# Altium PCB PCB1.pcbdoc
Units mil, origin at the board's own origin, x right, y up, seen from the top; angles counter-clockwise.
Board outline 3150.38 x 1181.94 mil, 2 copper layers (Top Layer, Bottom Layer); 25 components, 21 nets, 100 pads, 43 vias.
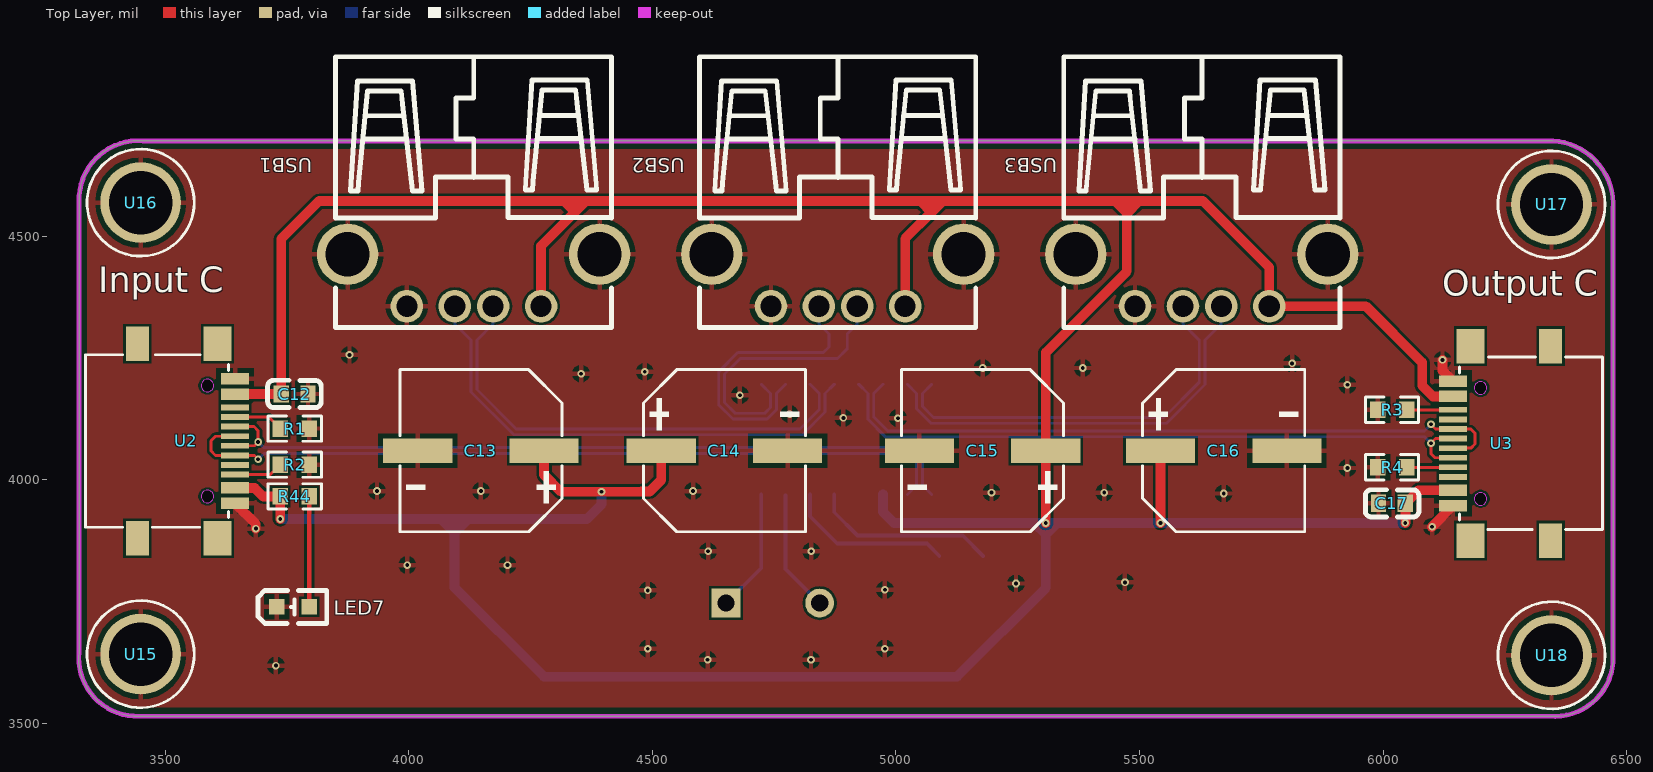
[diagram p0: Top Layer view]
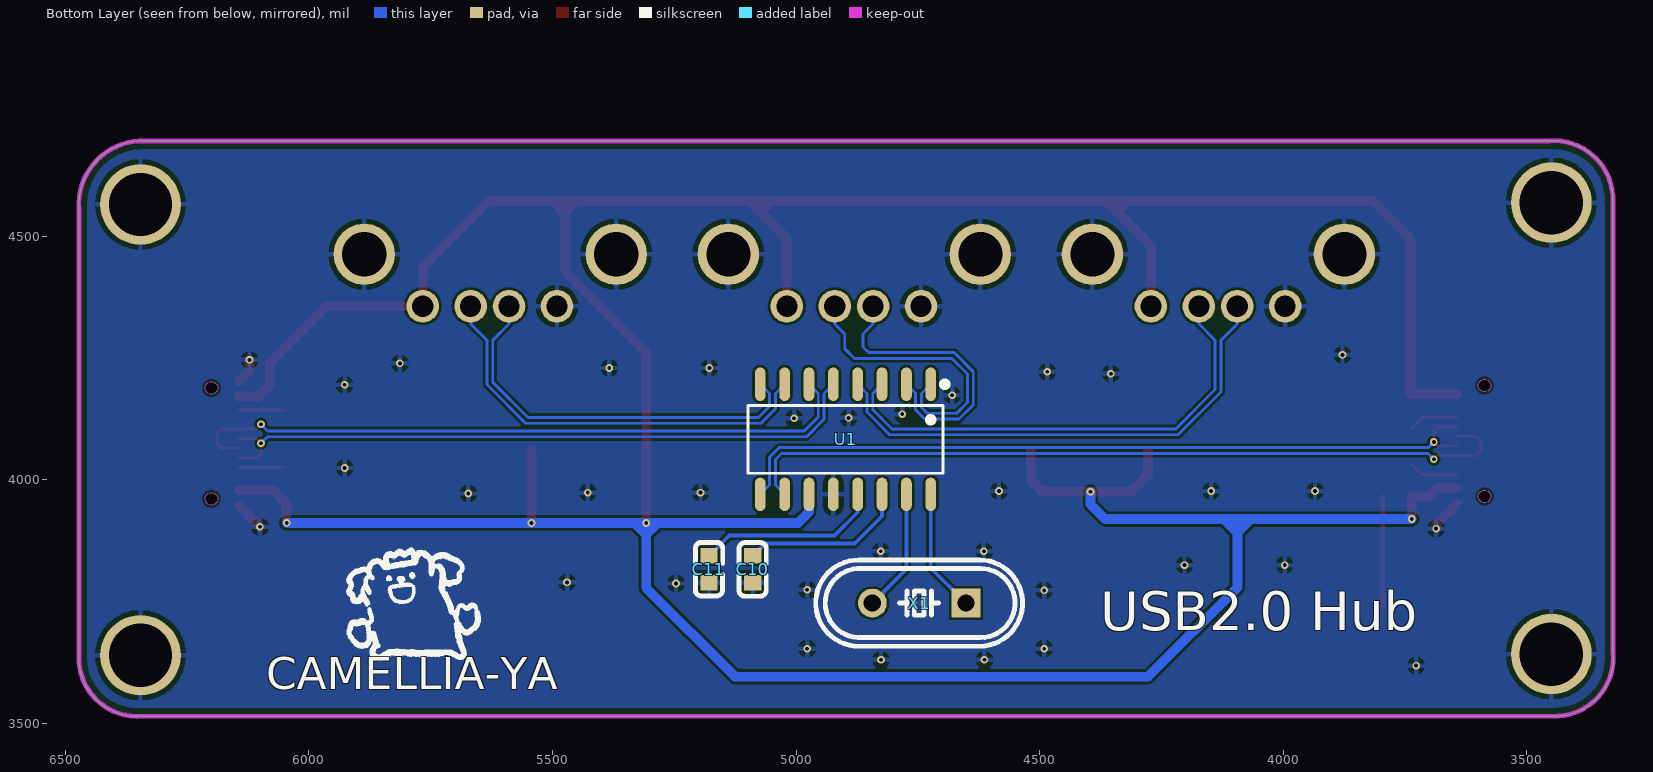
[diagram p1: Bottom Layer view, seen from below]
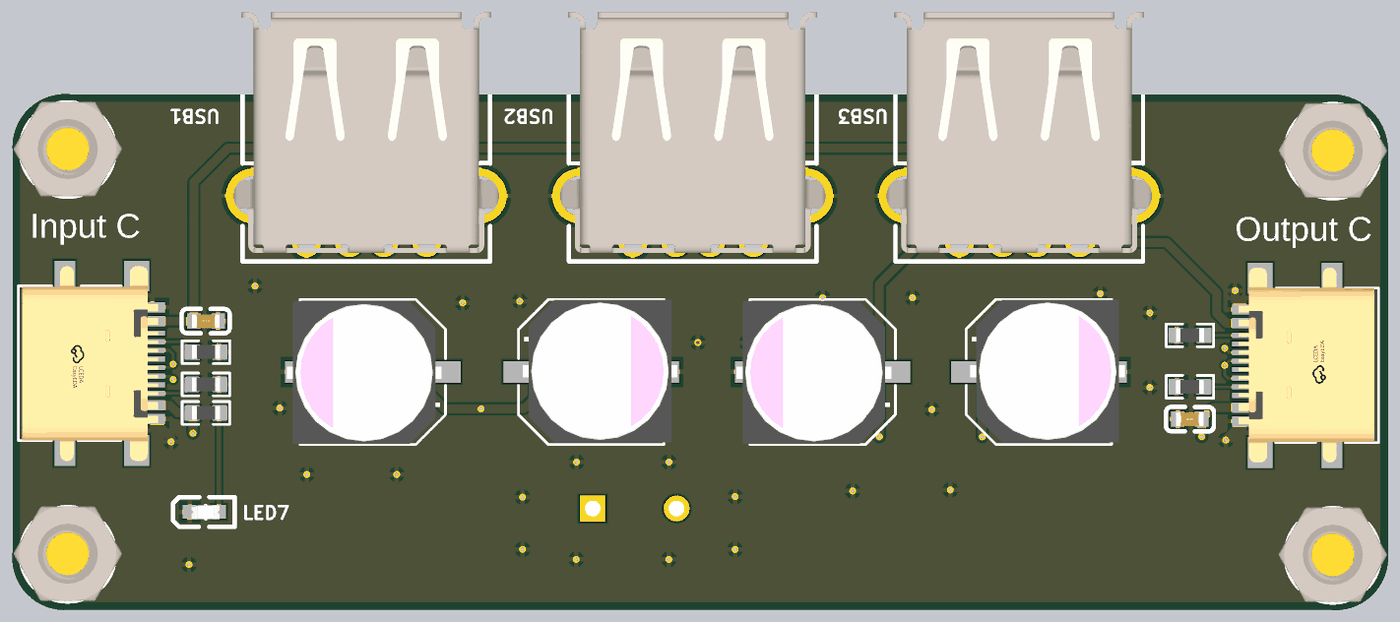
[diagram p2: 3D render of the assembled board from above, using the file's embedded part models]
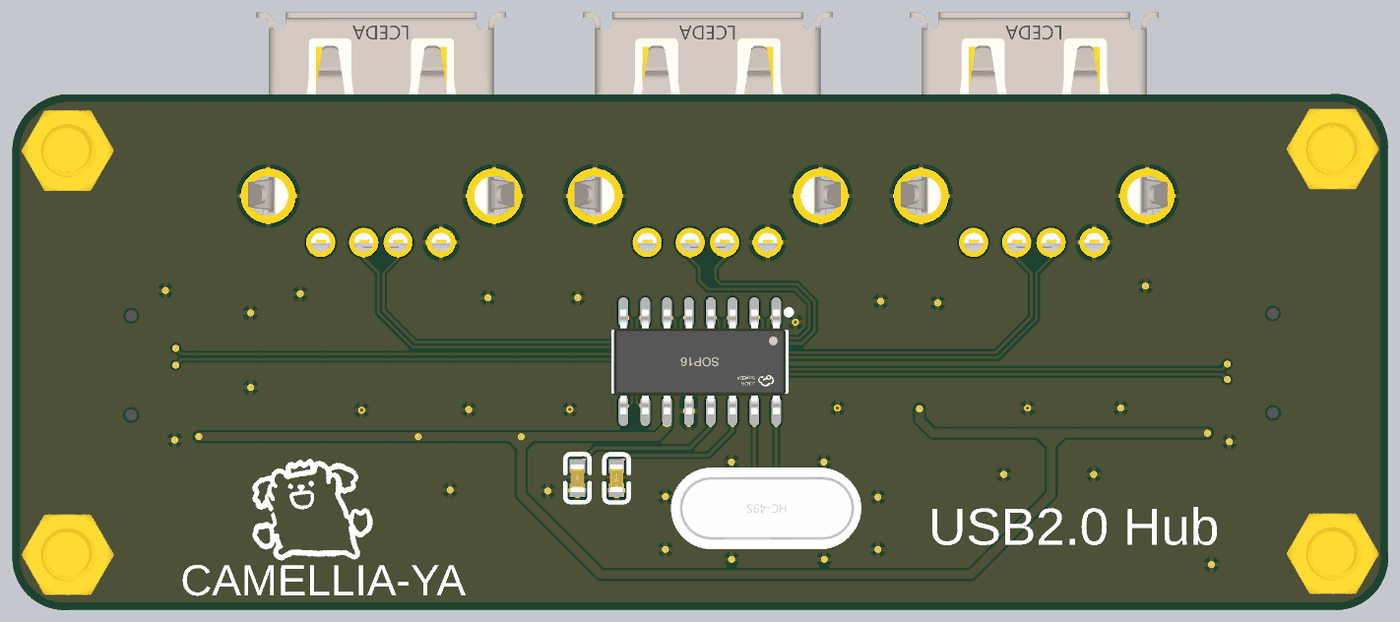
[diagram p3: 3D render of the assembled board from below, using the file's embedded part models]

## Layer stack, top to bottom
Top Solder Mask Layer: solder mask 0.4, Solder Resist, Dk 3.5
Top Layer: signal copper 1.4
Dielectric1: dielectric 12.6, FR-4, Dk 4.8
Bottom Layer: signal copper 1.4
Bottom Solder Mask Layer: solder mask 0.4, Solder Resist, Dk 3.5

## Board outline
3445.87,3514.17 cw(c3441.78,3633.66) 3322.83,3645.75 3322.83,4571.2 cw(c3443.93,4574.52) 3453.66,4695.28 6348.78,4695.28 cw(c6341.16,4563.99) 6472.44,4556.18 6472.44,3635.81 cw(c6352.23,3633.93) 6341.62,3514.17

## Design rules (kind name [scope] priority, off if disabled: settings)
Clearance keepoutlayer [(InLayerClass('Signal Layers')) vs (OnLayer('Board Outline Layer'))] p1: gap=12 ignorepadtopadclearanceinfootprint=FALSE except(0: Arc-Hole Track-Hole SMDPad-Hole THPad-Hole Via-Hole Fill-Hole Poly-Hole Region-Hole Text-Hole)
Clearance polygon [InPolygon] p2: gap=5 ignorepadtopadclearanceinfootprint=FALSE except(0: Arc-Hole Track-Hole SMDPad-Hole THPad-Hole Via-Hole Fill-Hole Poly-Hole Region-Hole Text-Hole)
Clearance [All] p3: gap=5 ignorepadtopadclearanceinfootprint=FALSE except(0: Arc-Hole Track-Hole SMDPad-Hole THPad-Hole Via-Hole Fill-Hole Poly-Hole Region-Hole Text-Hole)
HoleSize [All] p1: absolutevalues=TRUE maxlimit=130 minlimit=1 maxpercent=80.000 minpercent=20.000
HoleToHoleClearance [All] p1: gap=6 allowstackedmicrovias=TRUE
MinimumSolderMaskSliver [All] p1: minsoldermaskwidth=2
PolygonConnect [All] p1: connectstyle=Relief reliefconductorwidth=10 reliefentries=4 polygonreliefangle="90 Angle" airgapwidth=10
RoutingVias [All] p1: holewidth=28 width=50 viastyle="Through Hole" minholewidth=7.87 minwidth=15.75 maxholewidth=28 maxwidth=50
SilkToSilkClearance [All] p1: silktosilkclearance=0
SilkToSolderMaskClearance [IsPad] p1: minsilkscreentomaskgap=0 clearancetoexposedcopper=FALSE
SolderMaskExpansion [IsVia] p1: expansion=-1000
Width GND [InNet('GND')] p1: maxlimit=50 minlimit=10 preferedwidth=20
Width VDD [InNet('VDD5') and InNet('VDD18') and InNet('VDD33')] p2: maxlimit=50 minlimit=10 preferedwidth=20
Width [All] p3: maxlimit=50 minlimit=5 preferedwidth=10
25 further rules are at their usual default settings.

## Components (designator, comment, footprint, x,y, rotation, side; value= is the part's Value field where it differs from the comment)
C10 "10uF" C0603 5088.97,3815.75 r90 bottom
C11 "10uF" C0603 5178.74,3815.75 r270 bottom
C12 "10uF" C0603 3765.34,4175.59 r0 top
C13 "100uF" CAP-SMD_BD8.0-L8.3-W8.3-LS9.0-FD 4147.83,4059.17 r180 top
C14 "100uF" CAP-SMD_BD8.0-L8.3-W8.3-LS9.0-FD 4647.83,4059.18 r0 top
C15 "100uF" CAP-SMD_BD8.0-L8.3-W8.3-LS9.0-FD 5177.83,4059.17 r180 top
C16 "100uF" CAP-SMD_BD8.0-L8.3-W8.3-LS9.0-FD 5672.83,4059.18 r0 top
C17 "10uF" C0603 6018.36,3951.18 r180 top
LED7 "KT-0603白灯" LED0603-R-RD_WHITE 3761.93,3738.58 r0 top
R1 "5.1kΩ" R0603 3765.65,4104.72 r180 top
R2 "5.1kΩ" R0603 3765.65,4030.71 r0 top
R3 "5.1kΩ" R0603 6018.66,4143.16 r180 top
R4 "5.1kΩ" R0603 6018.66,4025.2 r0 top
R44 "1kΩ" R0603 3765.65,3965.35 r180 top
U1 "SL2.1A" SOP-16_L10.0-W3.9-P1.27-LS6.0-BL 4898.42,4082.68 r0 bottom
U2 "YTC-TC16-273A1" TYPE-C-SMD_YIYUAN_YTC-TC16-273A1 3542.83,4079.17 r270 top
U3 "YTC-TC16-273A1" TYPE-C-SMD_YIYUAN_YTC-TC16-273A1 6243.73,4074.25 r90 top
U15 "铜柱M3*12+3" TH_BD4.7-D3.0 3449.26,3641.54 r0 top
U16 "铜柱M3*12+3" TH_BD4.7-D3.0 3449.26,4568.56 r0 top
U17 "铜柱M3*12+3" TH_BD4.7-D3.0 6345.84,4564.9 r0 top
U18 "铜柱M3*12+3" TH_BD4.7-D3.0 6345.84,3639.17 r0 top
USB1 "AF 90° WJDG" USB-A-TH_AF-WJDG 4132.83,4409.17 r180 top
USB2 "AF 90° WJDG" USB-A-TH_AF-WJDG 4880.33,4409.17 r180 top
USB3 "AF 90° WJDG" USB-A-TH_AF-WJDG 5627.83,4409.17 r180 top
X1 "12MHz" HC-49US_L11.5-W4.5-P4.88 4747.24,3746.46 r0 bottom

## Footprints (in the part's own frame and the unit in brackets; to place one, negate y for a bottom-side part, rotate by r counter-clockwise, add the part's x,y. Pads: shape width x height; smd on the part's side, far side on the other; paste and mask are expansions set on the pad)
C0603 [mm]
  rect 0.8x0.9 smd paste+0 mask+0.051: 1(-0.7,0) 2(0.7,0)
  silkscreen extent -1.41,-0.71 1.39,0.72, body extent -1.78,-0.4 0.8,1.02, height 1
CAP-SMD_BD8.0-L8.3-W8.3-LS9.0-FD [mm]
  rect 3.61x1.26 smd mask+0.051: 1(-3.295,0) 2(3.295,0)
  silkscreen extent -4.23,-4.23 4.23,4.23, body extent -3.99,-4.11 5.01,4.19, height 8.55
HC-49US_L11.5-W4.5-P4.88 [mm]
  rect 1.5x1.5 hole 0.9 mask+0.051: 1(-2.44,0)
  round 1.5 hole 0.9 mask+0.051: 2(2.44,0)
  silkscreen extent -5.39,-2.25 5.39,2.25, body extent -5.57,-2.26 5.43,2.24, height 2.5
LED0603-R-RD_WHITE [mm]
  rect 0.8x0.8 smd mask+0.051: 1(0.851,0) 2(-0.851,0)
  silkscreen extent -1.82,-0.86 1.77,0.86, body extent -0.73,-1.14 2.16,0.4, height 0.91
R0603 [mil]
  rect 31.75x34.02 smd paste-3937.01 mask+2: 1(-29.66,0) 2(29.66,0)
  silkscreen extent -55,-26 55,26, body extent -32,-16 32,16, height 22
SOP-16_L10.0-W3.9-P1.27-LS6.0-BL [mm]
  oval 0.56x1.745 smd mask+0.051: 1(-4.445,-2.872) 2(-3.175,-2.872) 3(-1.905,-2.872) 4(-0.635,-2.872) 5(0.635,-2.872) 6(1.905,-2.872) 7(3.175,-2.872) 8(4.445,-2.872) 9(4.445,2.872) 10(3.175,2.872) 11(1.905,2.872) 12(0.635,2.872) 13(-0.635,2.872) 14(-1.905,2.872) 15(-3.175,2.872) 16(-4.445,2.872)
  silkscreen extent -5.33,-3.02 5.08,1.77, body extent -5,-3.04 5,3.06
TH_BD4.7-D3.0 [mm]
  round 4.2 hole 3.3 paste+0 mask+0.05: 1(0,0)
  silkscreen extent -2.79,-2.79 2.79,2.79, body extent -3.15,-2.72 3.15,2.78, height 4
TYPE-C-SMD_YIYUAN_YTC-TC16-273A1 [mm]
  rect 1.8x1.45 smd paste+0 mask+0.05: 12(-5.07,1.632) 13(5.07,1.632)
  rect 1.8x1.2 smd paste+0 mask+0.05: 14(-5.07,-2.548) 15(5.07,-2.548)
  rect 0.6x1.45 smd paste+0 mask+0.05: A1B12(-3.25,2.548) A4B9(-2.45,2.548) A9B4(2.45,2.548) A12B1(3.25,2.548)
  rect 0.3x1.45 smd paste+0 mask+0.05: A5(-1.25,2.548) A6(-0.25,2.548) A7(0.25,2.548) A8(1.25,2.548) B5(1.75,2.548) B6(0.75,2.548) B7(-0.75,2.548) B8(-1.75,2.548)
  Board Outline Layer board cut-out: -2.89,1.427 -2.955,1.427 -3.074,1.377 -3.165,1.286 -3.215,1.166 -3.215,1.037 -3.165,0.918 -3.074,0.826 -2.955,0.777 -2.89,0.777 -2.825,0.777 -2.706,0.826 -2.614,0.918 -2.565,1.037 -2.565,1.166 -2.614,1.286 -2.706,1.377 -2.825,1.427 -2.89,1.427 -2.89,1.427
  Board Outline Layer board cut-out: 2.89,1.427 2.825,1.427 2.706,1.378 2.615,1.286 2.565,1.167 2.565,1.038 2.615,0.918 2.706,0.827 2.825,0.777 2.89,0.777 2.955,0.777 3.074,0.827 3.166,0.918 3.215,1.038 3.215,1.167 3.166,1.286 3.074,1.378 2.955,1.427 2.89,1.427 2.89,1.427
  silkscreen extent -4.5,-5.25 4.5,2.2, body extent -5.65,-5.02 5.7,2.88, height 3.79
USB-A-TH_AF-WJDG [mm]
  round 1.7 hole 1.1 mask+0.051: 1(-3.52,1.355) 2(-1.019,1.355) 3(0.98,1.355) 4(3.48,1.355)
  round 3.2 hole 2.3 mask+0.051: 5(-6.57,-1.355) 5(6.57,-1.355)
  silkscreen extent -7.2,-11.65 7.2,2.46, body extent -7.75,-12.03 7.75,1.97, height 8.81

## Part data
C10 C11 C12 C17: library part CL10A106MA8NRNC, "容值:10uF;精度:±20%;额定电压:25V;材质(温度系数):X5R;"
C13 C14 C15 C16: library part VZH101M1ETR-0806, "容值:100uF;精度:±20%;额定电压:25V;纹波电流:-;等效串联电阻:-;"
LED7: "发光颜色:白灯;"
R1 R2 R3 R4: library part 0603WAF5101T5E, "电阻类型:厚膜电阻;阻值:5.1kΩ;精度:±1%;功率:100mW;温度系数:±100ppm/℃;最大工作电压:75V;工作温度范围:-55℃~+155℃;"
R44: library part 0603WAF1001T5E, "电阻类型:厚膜电阻;阻值:1kΩ;精度:±1%;功率:100mW;"
U1: "应用功能:集线器;接口协议:-;"
U2 U3: "连接器类型:Type-C;公母:母座;触点数量:16;"
USB1 USB2 USB3: "连接器类型:Type-A;标准:USB 2.0;公母:母座;触点数量:4;端口数量:1;安装方式:弯插;额定电流 - 电源:1.5A;工作温度范围:-25℃~+85?"
X1: library part X49SD12MSD2SI, "频率:12MHz;频率公差:±20ppm;负载电容:20pF;"

## Via types
v1: diameter 15.75, hole 7.87, Top Layer to Bottom Layer, 43 vias

## Nets (pads, with @x,y where several pads share a name; then routed paths per layer and width w, separated by ;. In a path a pad name is that pad's centre, name@x,y a point inside that pad or via, vN(x,y) a via of type N, cw(c..) or ccw(c..) an arc to the next point about the centre after c; other vN are vias at no path point)
DM: U1.9 U2.A7 U2.B7 | length 1585.5
  Top Layer w5.91: U2.A7 3682.71,4069.33 v1(3690.55,4077.16) 3690.55,4100 3681.85,4108.7 U2.B7
  Bottom Layer w5.91: v1(3690.55,4077.16) 3702.28,4065.43 5034.8,4065.43 5054.37,4045.87 5054.37,3988.64 U1.9
DM1: U1.7 USB3.2 | length 870.2
  Bottom Layer w5.9: U1.7 5042.48,4176.71 5042.48,4145.43 5072.24,4115.67 5555.31,4115.67 5634.53,4194.89 5634.53,4286 5667.93,4319.41 USB3.2
DM2: U1.5 U3.A7 U3.B7 | length 1375.2
  Top Layer w5.9: U3.B7 6106.69,4044.73 6098.42,4053 v1(6098.42,4074.5) 6108.02,4084.1 U3.A7
  Bottom Layer w5.9: U1.5 4942.48,4176.71 4942.48,4123.66 4978.14,4088 6084.92,4088 v1(6098.42,4074.5)
DM3: U1.3 USB1.2 | length 997.8
  Bottom Layer w5.9: USB1.2 4172.93,4319.41 4139.53,4286 4139.53,4184.88 4220.47,4103.94 4802.9,4103.94 4842.48,4143.52 4842.48,4176.71 U1.3
DM4: U1.1 USB2.2 | length 591.7
  Bottom Layer w5.9: U1.1 4742.48,4176.71 4742.48,4148.03 4730.67,4136.22 4670.08,4136.22 4648.03,4158.27 4648.03,4216.53 4680.24,4248.74 4880.24,4248.74 4900,4268.5 4900,4298.97 4920.43,4319.41 USB2.2
DP: U1.10 U2.A6 U2.B6 | length 1619.1
  Top Layer w5.91: U2.A6 3603.18,4089.01 3593.7,4079.53 3593.7,4059.12 3603.18,4049.64 U2.B6 3682.71,4049.64 v1(3690.55,4041.8)
  Bottom Layer w5.91: v1(3690.55,4041.8) 3702.29,4053.54 5029.88,4053.54 5042.48,4040.94 5042.48,3988.64 U1.10
DP1: U1.8 USB3.3 | length 830.8
  Bottom Layer w5.9: U1.8 5054.36,4176.71 5054.36,4150.36 5077.16,4127.56 5550.39,4127.56 5622.64,4199.81 5622.64,4286 5589.23,4319.41 USB3.3
DP2: U1.6 U3.A6 U3.B6 | length 1405.7
  Top Layer w5.9: v1(6098.42,4113.38) 6108.02,4103.79 U3.B6 6180.16,4103.79 6188.97,4094.98 6188.97,4073.23 6180.16,4064.42 U3.A6
  Bottom Layer w5.9: U1.6 4954.36,4176.71 4954.36,4128.6 4983.08,4099.88 6084.92,4099.88 v1(6098.42,4113.38)
DP3: U1.4 USB1.3 | length 1037.2
  Bottom Layer w5.9: USB1.3 4094.23,4319.41 4127.64,4286 4127.64,4179.96 4215.55,4092.05 4807.82,4092.05 4854.36,4138.6 4854.36,4176.71 U1.4
DP4: U1.2 USB2.3 | length 605.9
  Bottom Layer w5.9: U1.2 4754.36,4176.71 4754.36,4143.11 4735.59,4124.33 4665.15,4124.33 4636.14,4153.34 4636.14,4221.46 4675.32,4260.63 4850.78,4260.63 4862.2,4272.05 4862.2,4298.94 4841.73,4319.41 USB2.3
GND: C10.1 C11.2 C12.2 C13.2 C14.2 C15.2 C16.2 C17.2 LED7.2 R1.1 R2.2 R3.2 R4.1 U1.12 U2.A1B12 U2.A12B1 U3.A1B12 U3.A12B1 U15.1 U16.1 U17.1 U18.1 USB1.4 USB1.5 USB2.4 USB2.5 USB3.4 USB3.5 | length 184
  Top Layer w20: U2.A12B1 3685.83,3908.54 v1(3685.83,3899.21) ; v1@6099.99,3902.36 6099.99,3902.87 U3.A1B12 ; v1(6122.04,4245.67) 6122.04,4223.58 U3.A12B1
  other v1: 3726.93,3617.91 4613.38,3629.92 4825.56,3629.92 4490.55,3652.79 4977.16,3652.76 4490.55,3772.44 4977.16,3773.66 5246.45,3786.61 5470.07,3788.98 3996.6,3824.41 4202.36,3824.41 4614.27,3852.76 4825.98,3852.76 6100.78,3903.15 5672.83,3971.45 5196.06,3973.23 5427.55,3973.23 3934.64,3976.38 4147.83,3976.38 4583.46,3976.38 5926.77,4023.62 5003.93,4125.98 4892.02,4126.57 4781.81,4134.33 4679.52,4173.23 5926.77,4194.49 4353.54,4217.32 4484.25,4221.26 5177.83,4229.13 5383.46,4229.13 5813.38,4238.58 3877.95,4255.9
NetLED7_1: LED7.1 R44.1 | length 226.8
  Top Layer w10: R44.1 3795.31,3943.35 3795.43,3943.22 LED7.1
NetR1_2: R1.2 U2.A5 | length 102.6
  Top Layer w5.91: U2.A5 3712.33,4128.38 R1.2
NetR2_1: R2.1 U2.B5 | length 101.3
  Top Layer w5.91: U2.B5 3715.55,4010.27 R2.1
NetR3_1: R3.1 U3.B5 | length 95.1
  Top Layer w5.9: R3.1 U3.B5
NetR4_2: R4.2 U3.A5 | length 95.1
  Top Layer w5.9: R4.2@6048.32,4025.05 U3.A5
NetU1_15: U1.15 X1.2 | length 250
  Bottom Layer w7.87: U1.15@4773.23,3967.42 4773.23,3816.53 X1.2
NetU1_16: U1.16 X1.1 | length 253.1
  Bottom Layer w7.87: X1.1 4723.42,3818.7 U1.16
VDD5: C12.1 C13.1 C14.1 C15.1 C16.1 C17.1 R44.2 U1.11 U2.A4B9 U2.A9B4 U3.A4B9 U3.A9B4 USB1.1 USB2.1 USB3.1 | length 8880.4
  Top Layer w20: U2.A9B4 3683.42,3982.72 3700.79,3965.35 R44.2 v1(3735.99,3918.9) ; U2.A4B9 C12.1 3737.78,4493.68 3815.75,4571.65 4318.24,4571.65 ; USB1.1 4271.43,4479.31 4341.4,4549.27 ; C13.1 4277.56,4009.84 4312.6,3974.8 v1(4395.54,3974.8) 4476.38,3974.8 4477.16,3975.59 4494.49,3975.59 4518.11,3999.21 C14.1 ; USB2.1 5018.93,4494.53 5073.2,4548.79 ; 5046.4,4571.65 5050.34,4571.65 ; v1(5307.56,3910.71) C15.1 5307.56,4261.11 5474.01,4427.56 5474.01,4546.63 ; v1(5543.11,3910.72) C16.1 ; v1(6045.66,3911.02) 6045.92,3911.28 C17.1 6072.53,3977.8 U3.A4B9 ; U3.A9B4 6102.51,4170.71 6080.31,4192.91 6080.31,4240.16 5964.64,4355.83 USB3.1 5766.43,4435.13 5629.92,4571.65 5499.03,4571.65 ; 4318.24,4571.65 4363.78,4571.65 ; 4318.24,4571.65 4340.62,4549.27 4341.4,4549.27 ; 4341.4,4549.27 4363.78,4571.65 ; 4363.78,4571.65 5050.34,4571.65 ; 5050.34,4571.65 5096.06,4571.65 ; 5050.34,4571.65 5073.2,4548.79 ; 5073.2,4548.79 5096.06,4571.65 ; 5096.06,4571.65 5449.88,4571.65 ; 5449.88,4571.65 5474.01,4571.65 ; 5449.88,4571.65 5474.01,4547.52 ; 5474.01,4546.63 5474.01,4547.52 ; 5474.01,4546.63 5499.03,4571.65 ; 5474.01,4547.52 5474.01,4571.65 ; 5474.01,4571.65 5499.03,4571.65
  Bottom Layer w20: v1(3735.99,3918.9) 4065.92,3918.9 ; v1(4395.54,3974.8) 4395.54,3949.08 4365.35,3918.9 4122.14,3918.9 ; U1.11 4973.42,3933.66 4996.06,3911.02 5283.53,3911.02 ; v1(5307.56,3910.71) 5307.56,3886.99 ; v1(6045.66,3911.02) 5331.59,3911.02 ; 4065.92,3918.9 4093.84,3918.9 ; 4065.92,3918.9 4093.84,3890.98 ; 4093.84,3890.6 4093.84,3778.6 4277.16,3595.28 5125.19,3595.28 5307.56,3777.64 5307.56,3886.99 ; 4093.84,3890.6 4093.84,3890.98 ; 4093.84,3890.6 4122.14,3918.9 ; 4093.84,3890.98 4093.84,3918.9 ; 4093.84,3918.9 4122.14,3918.9 ; 5283.53,3911.02 5331.59,3911.02 ; 5283.53,3911.02 5307.56,3886.99 ; 5307.56,3886.99 5331.59,3911.02
VDD18: C10.2 U1.14 | length 344.2
  Bottom Layer w7.87: U1.14 4823.42,3924.61 4879.52,3868.5 5063.78,3868.5 C10.2
VDD33: C11.1 U1.13 | length 379.1
  Bottom Layer w7.87: U1.13 4873.42,3932.87 4921.26,3885.04 5137.01,3885.04 C11.1
pads on no net: U2.12 U2.13 U2.14 U2.15 U2.A8 U2.B8 U3.12 U3.13 U3.14 U3.15 U3.A8 U3.B8

## Polygon pours and split planes (outlines as drawn)
GND on Top Layer "Top Layer-GND" (solid, remove dead copper, pour order 0): 3000,3189.76 6804.72,3189.76 6804.72,5077.16 3000,5077.16
GND on Bottom Layer "Bottom Layer-GND" (solid, remove dead copper, pour order 1): 3176.38,3000 6565.35,3000 6565.35,5176.37 3176.38,5176.37

## Keep-outs
Board Outline Layer:
  the board outline again, w10

## Silkscreen, mask and mechanical layers (free items; w line width, h text height)
Top Silkscreen Layer:
  text "Input C" at 3362.41,4366.85 h89.2
  text "Output C" at 6121.68,4359.76 h89.2
Bottom Silkscreen Layer:
  drawing of 5 lines, arcs and shapes, not listed
  text "USB2.0 Hub" at 4374.96,3663.66 h135.94
  text "CAMELLIA-YA" at 6087.42,3547.67 h113.28
Mechanical 6:
  text "937.966 (mil)" at 2344.88,3630.6 h60
  text "73.573 (mm)" at 3449.26,2611.81 h60